# Altium PCB Dust1_Motherboard_STM32WBA5MMG.PcbDoc (part 1 of 2)
Units mm, origin at the board's own origin, x right, y up, seen from the top; angles counter-clockwise.
Board outline 31 x 35.5 mm, 6 copper layers (Top Layer (Signal), Layer 1 (GND), Layer 2 (Signal), Layer 3 (PWR), Layer 4 (GND), Bottom Layer (Signal)), stack 1.49 mm thick; 68 components, 73 nets, 340 pads, 254 vias.
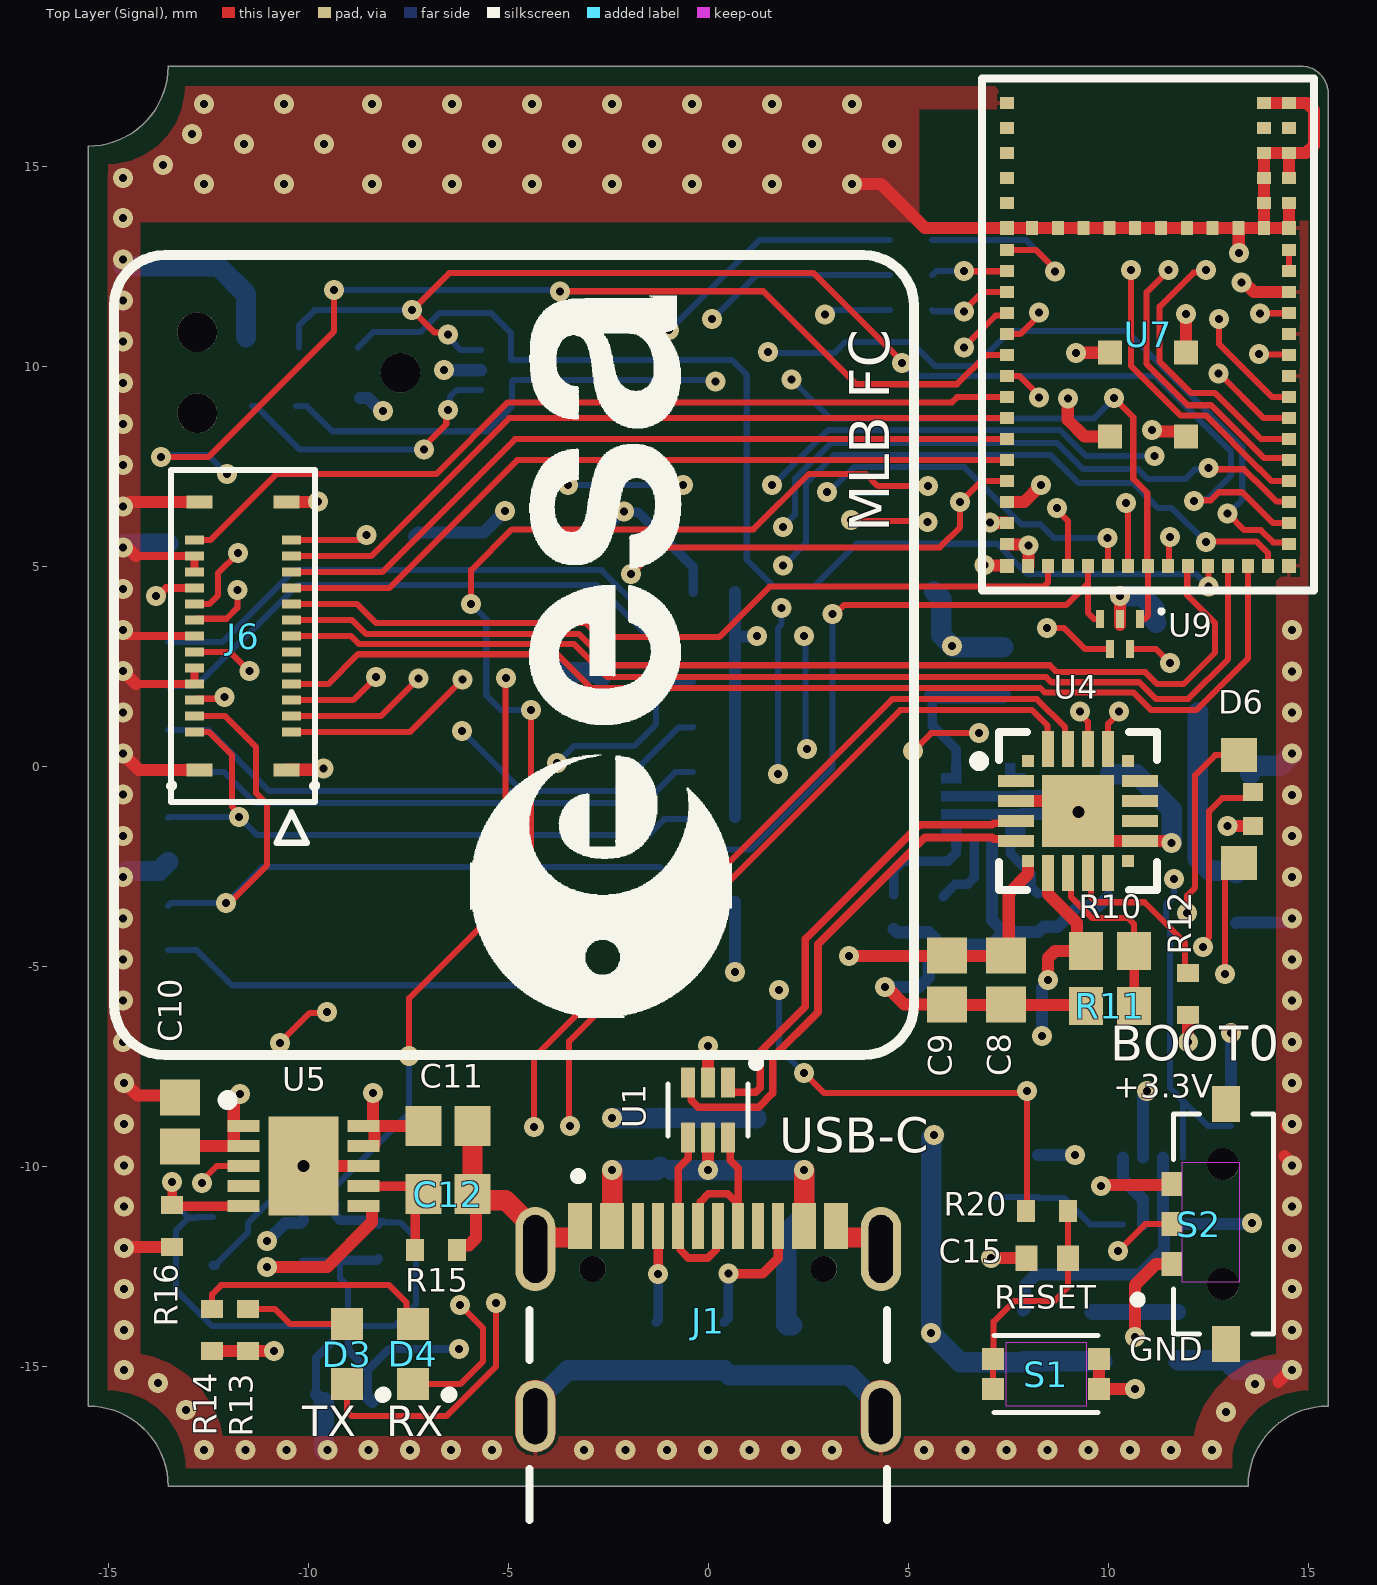
[diagram p0: Top Layer (Signal) view]
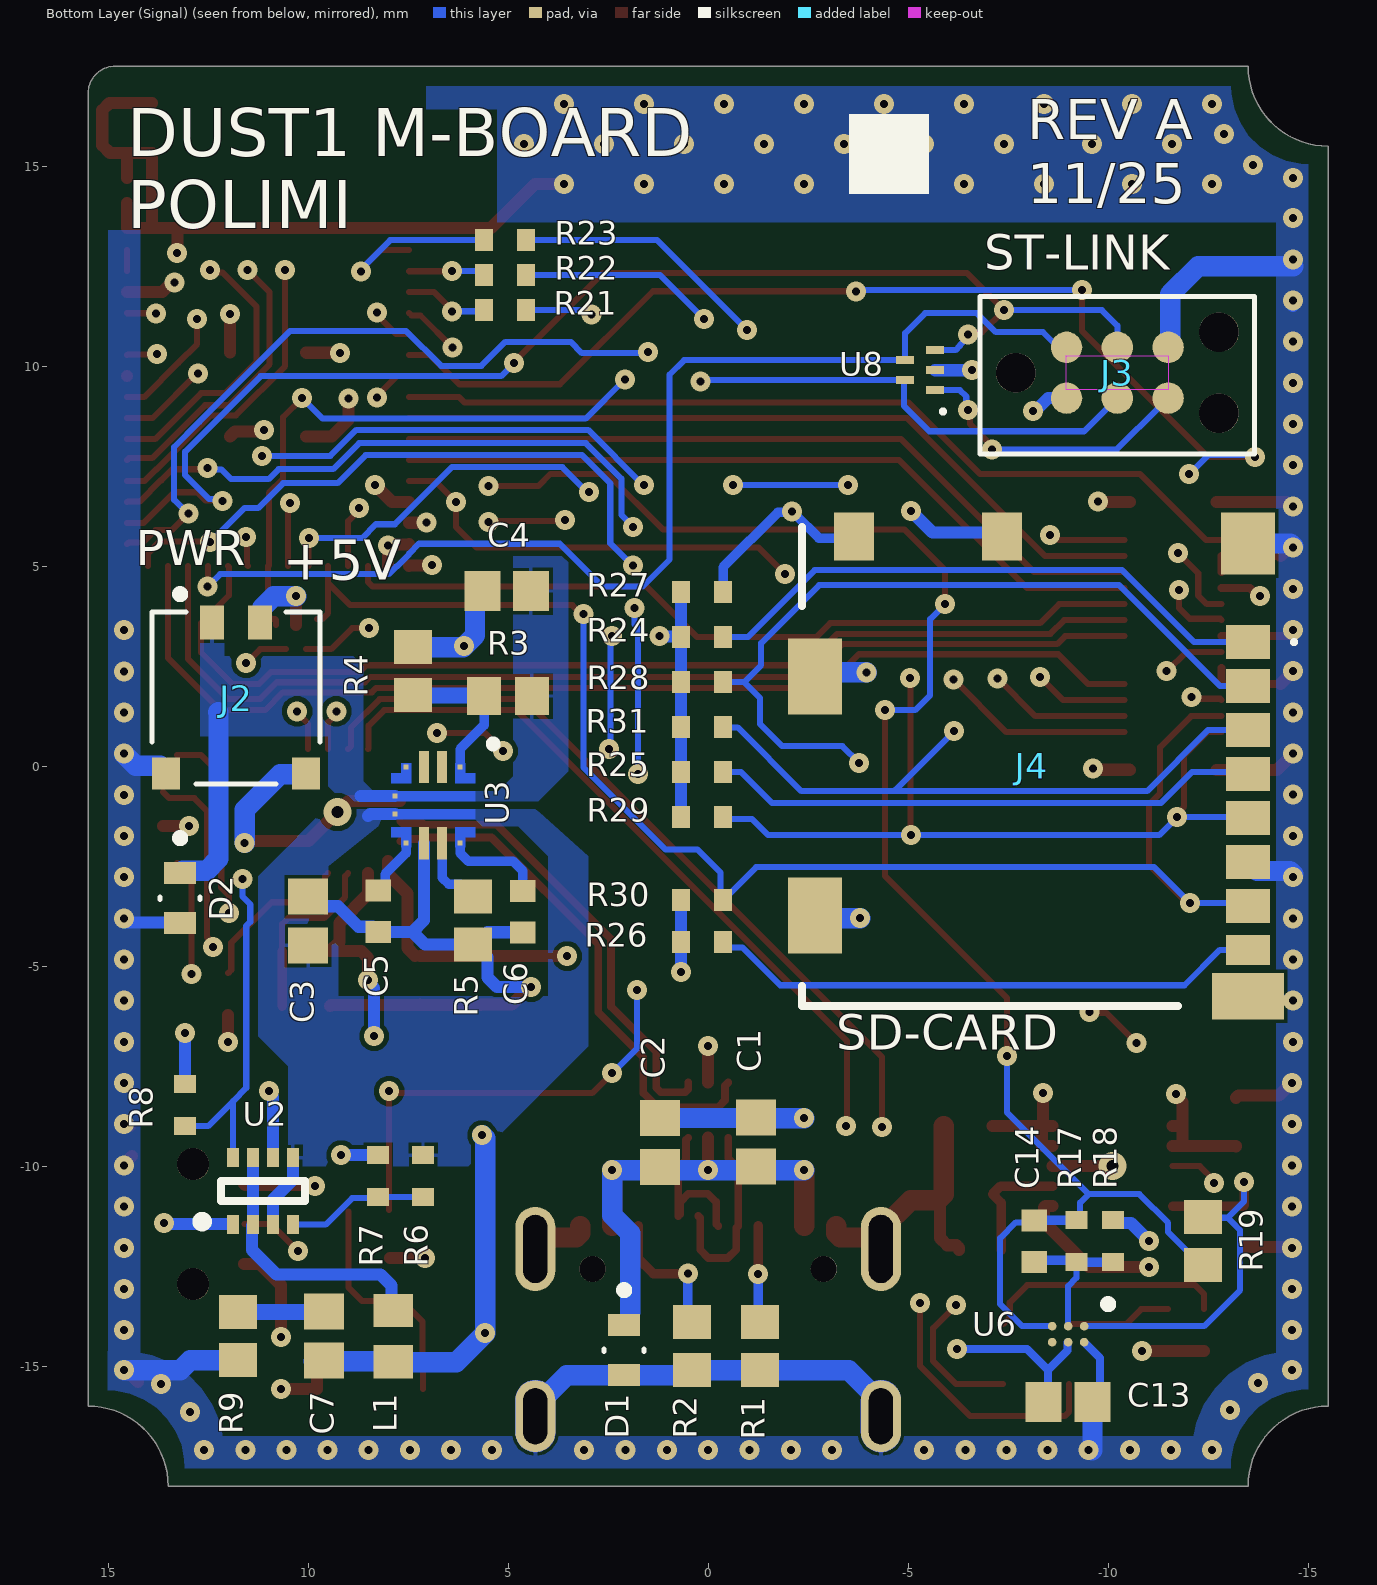
[diagram p1: Bottom Layer (Signal) view, seen from below]
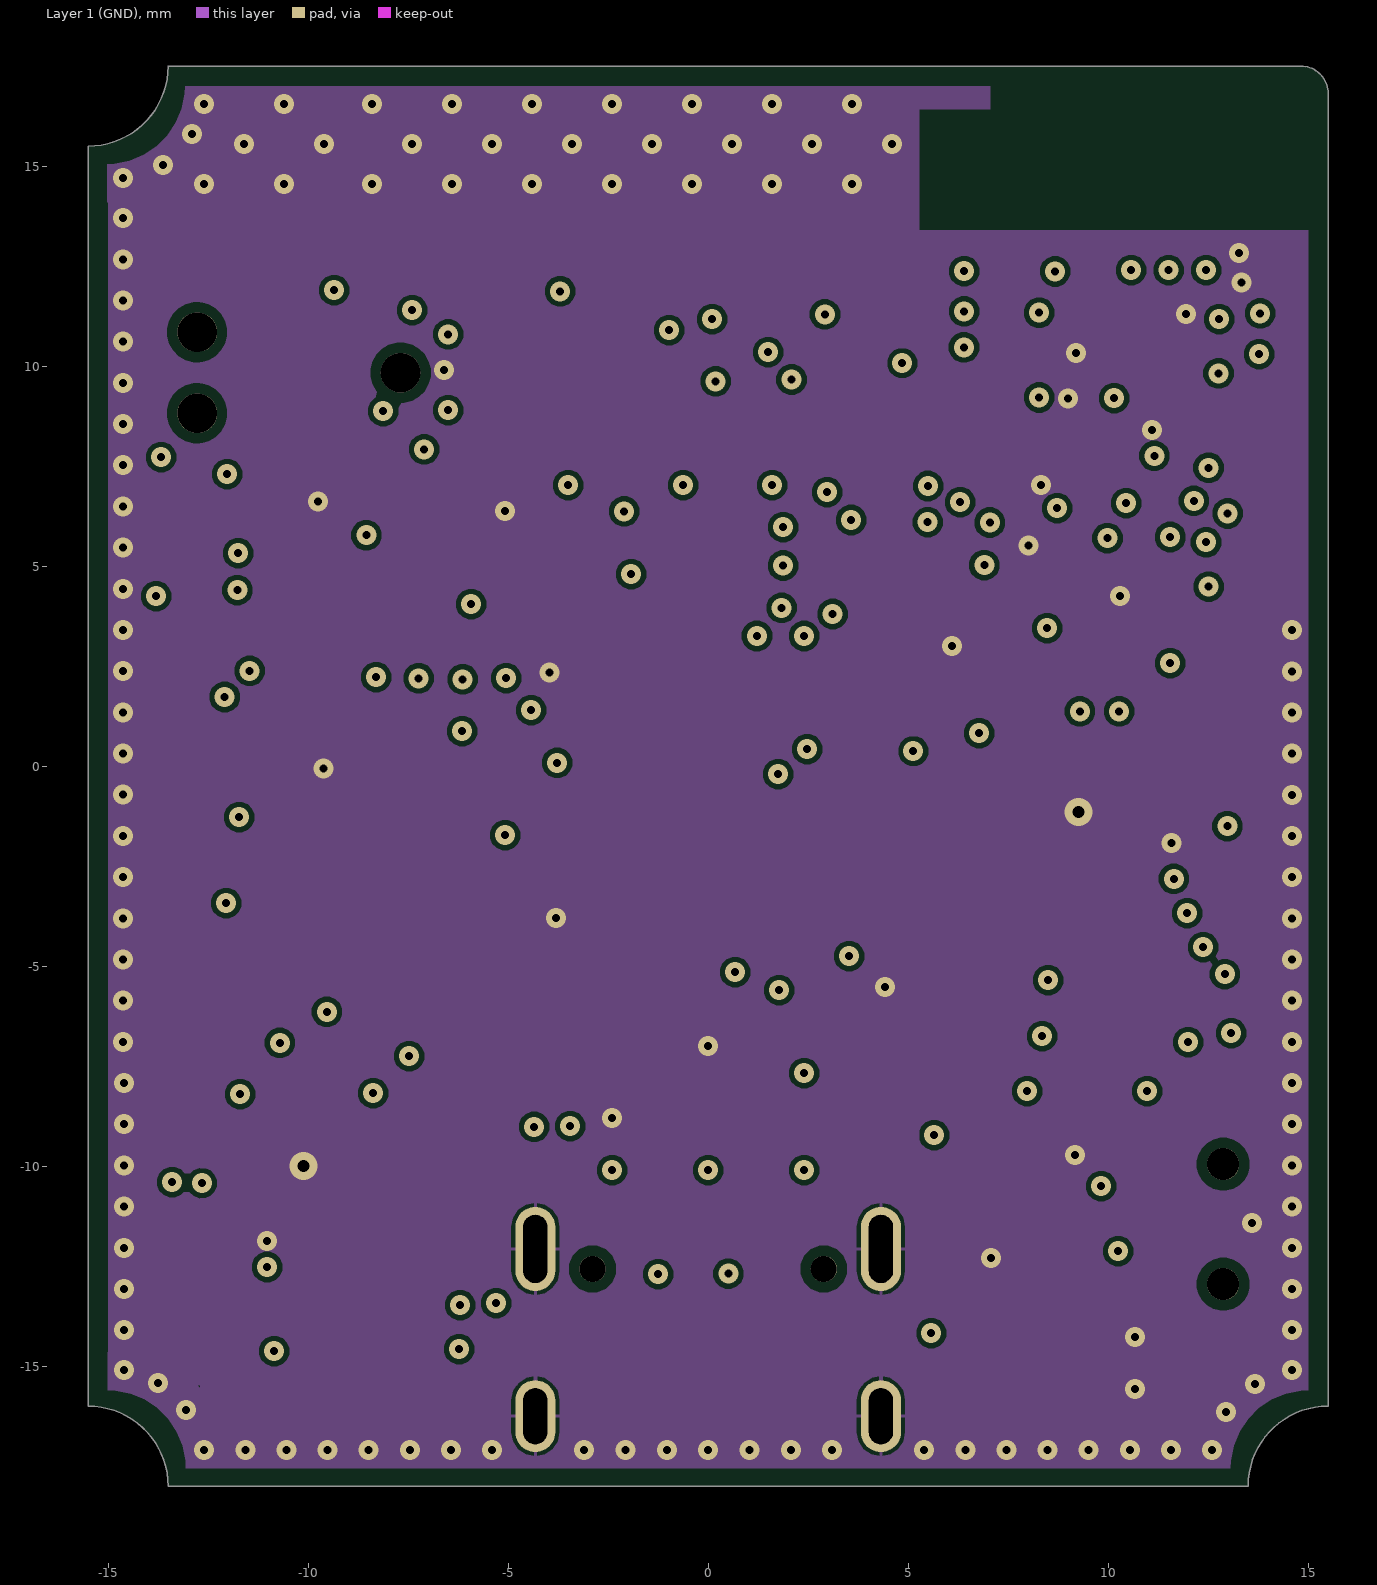
[diagram p2: Layer 1 (GND)]
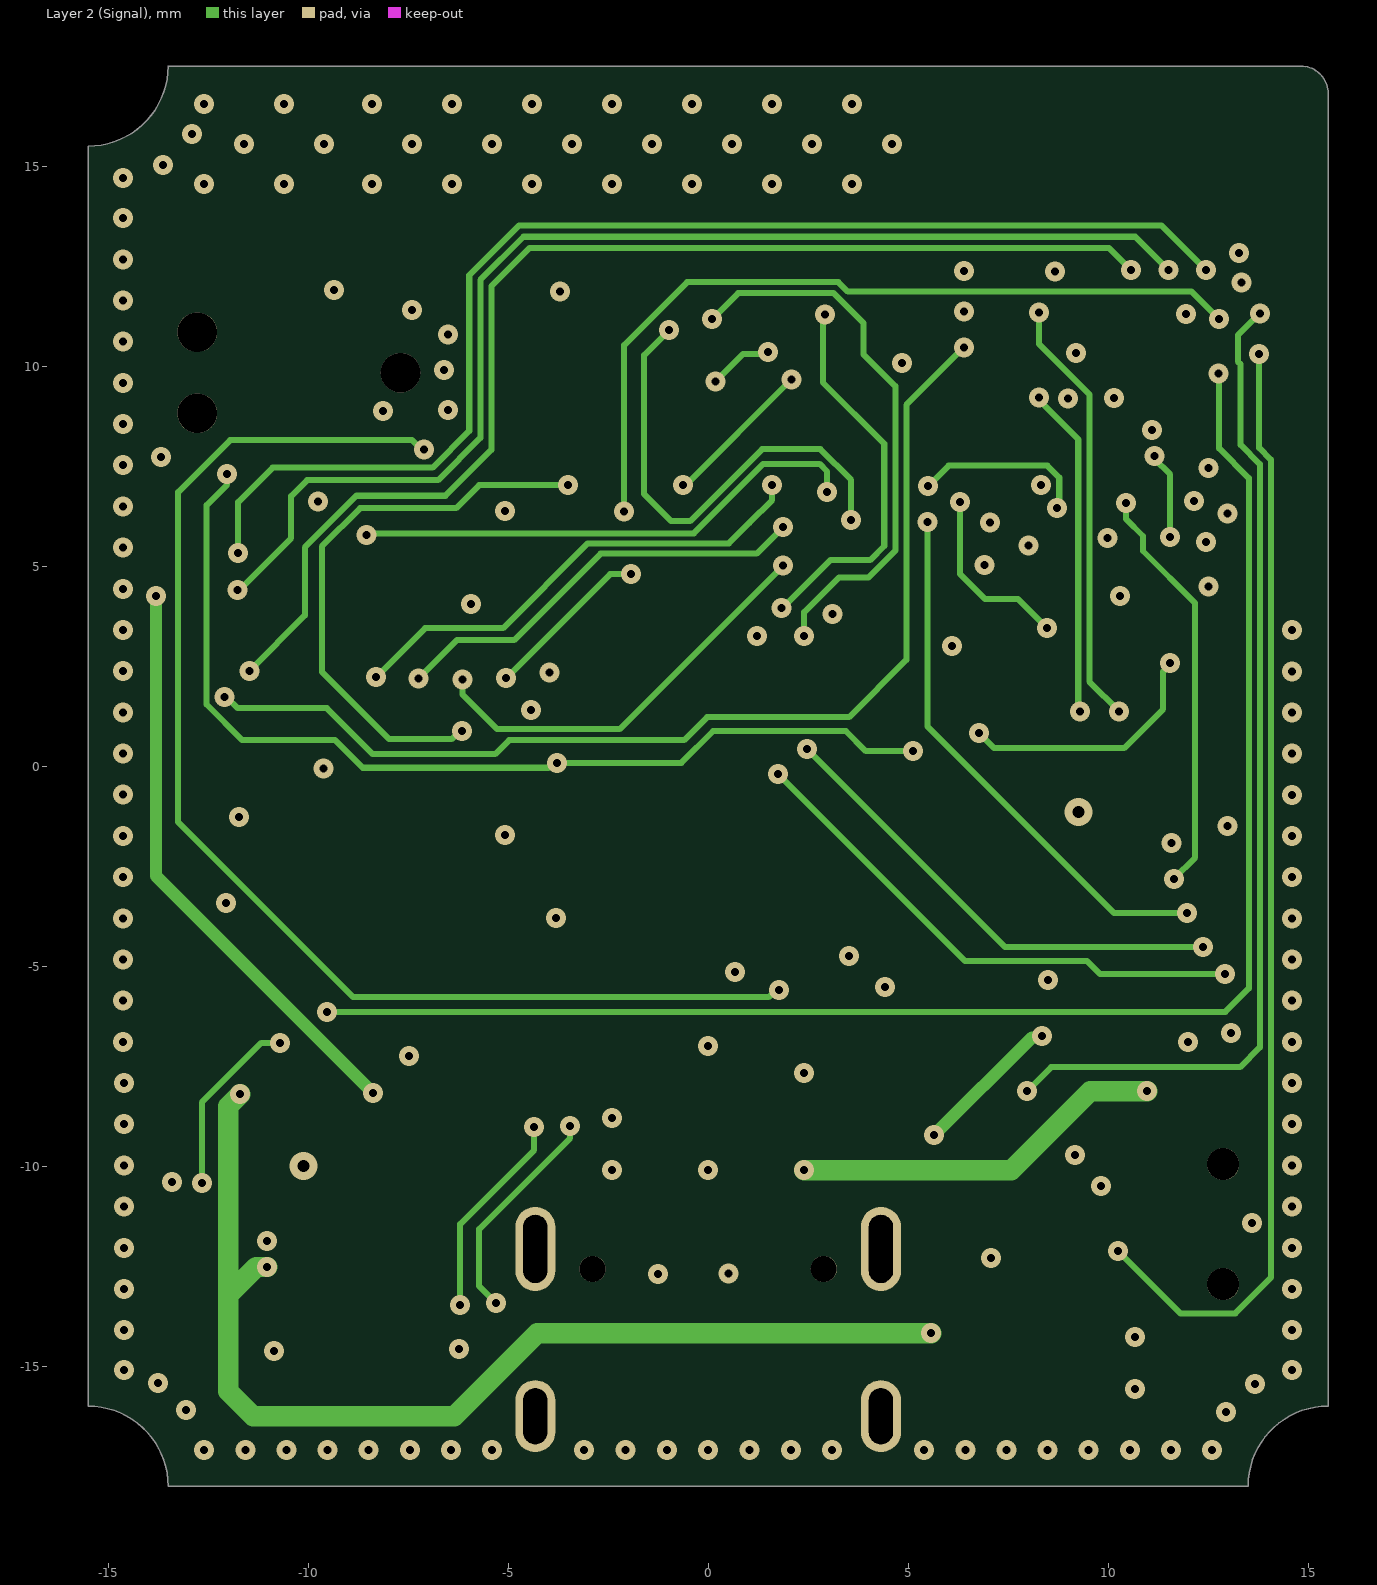
[diagram p3: Layer 2 (Signal)]
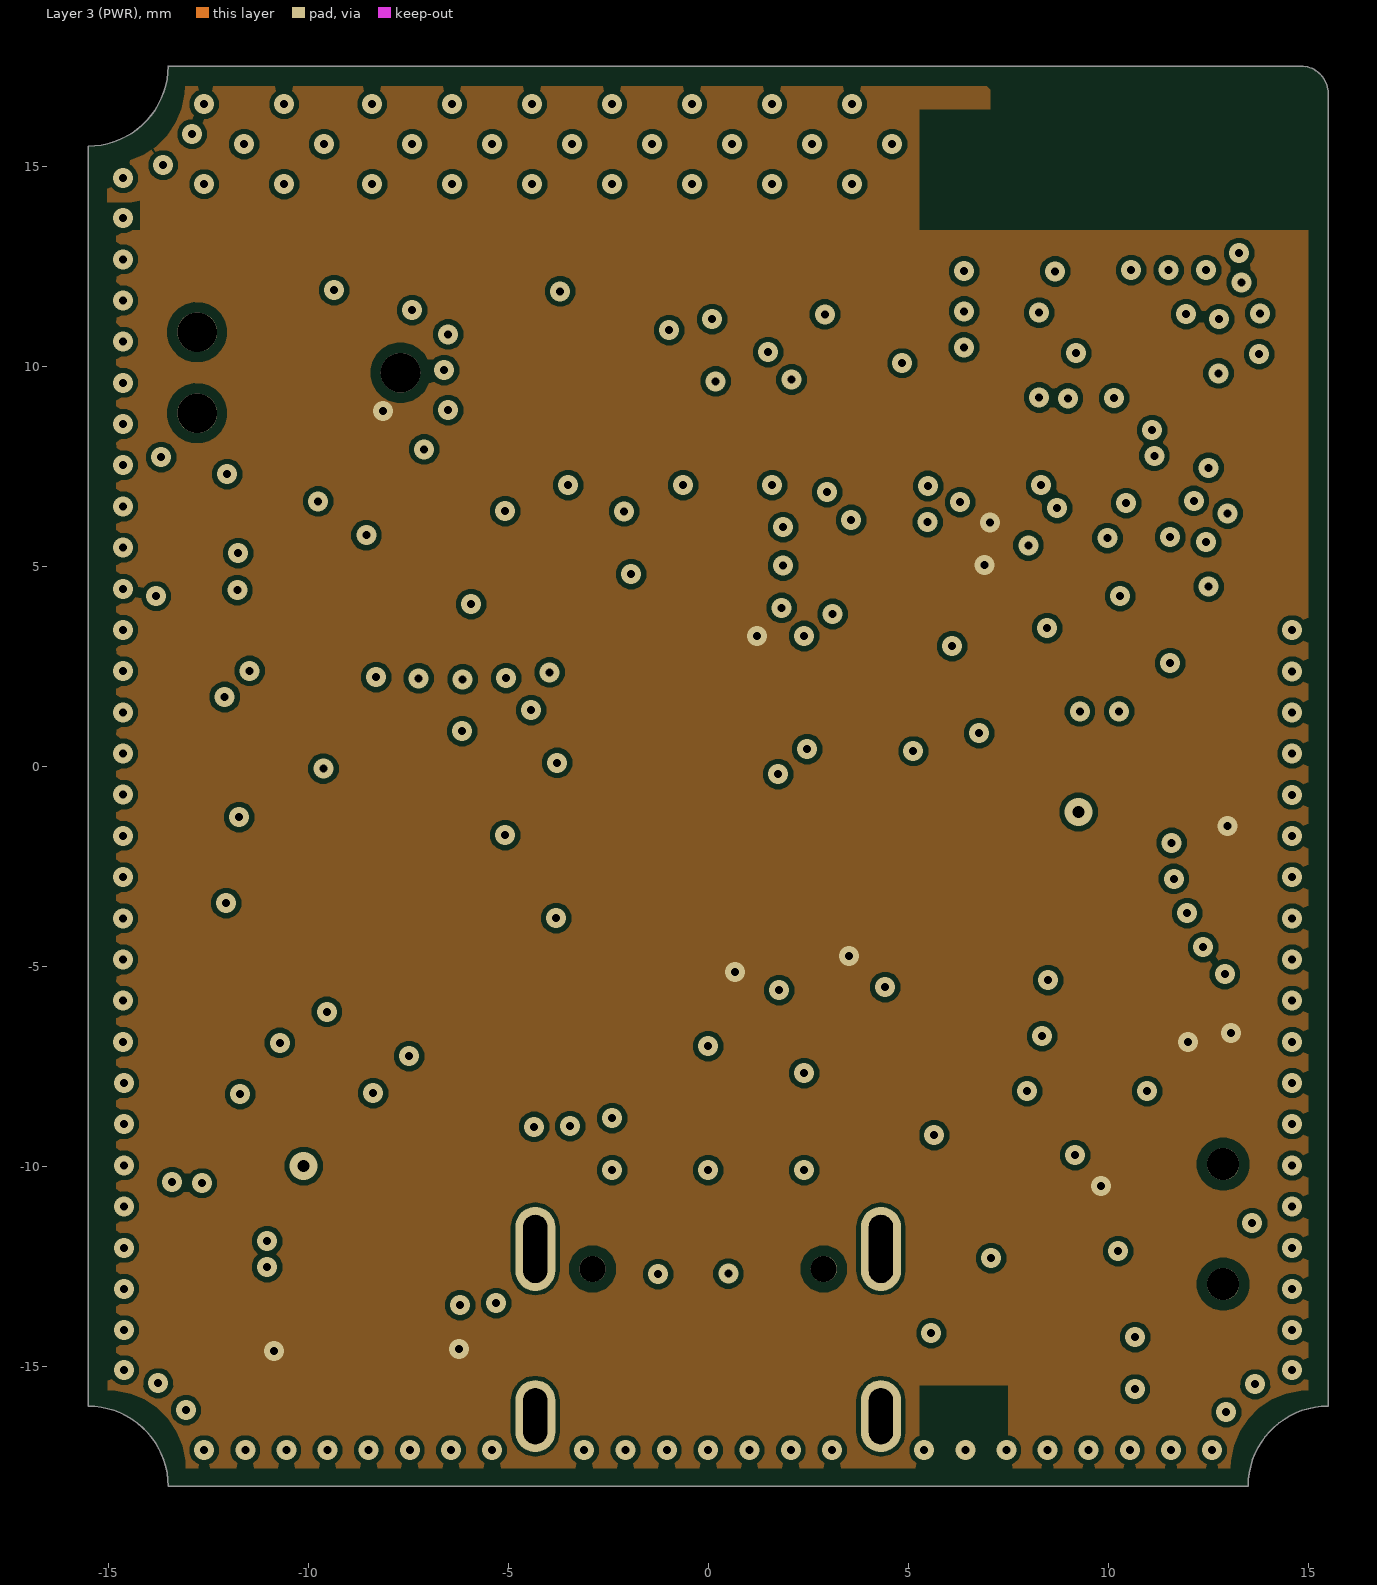
[diagram p4: Layer 3 (PWR)]
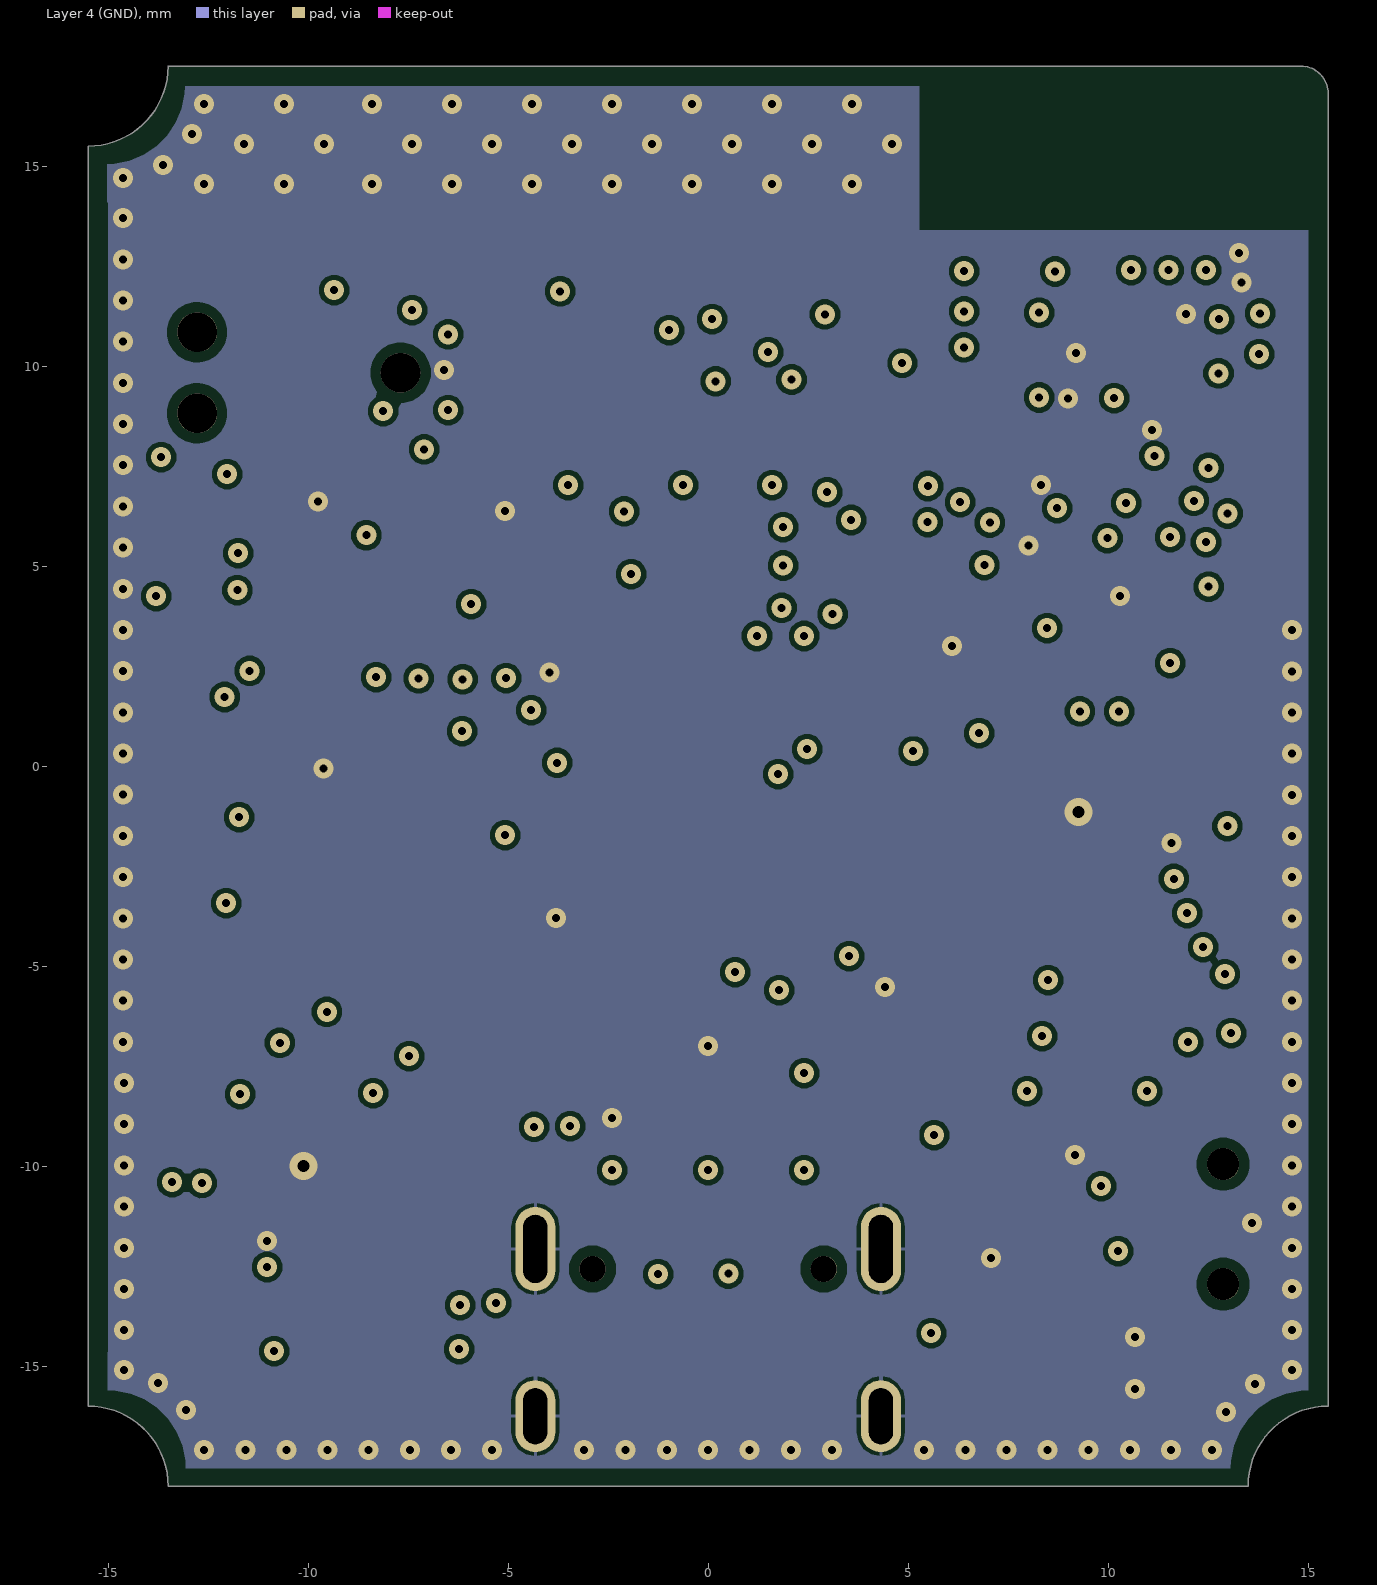
[diagram p5: Layer 4 (GND)]
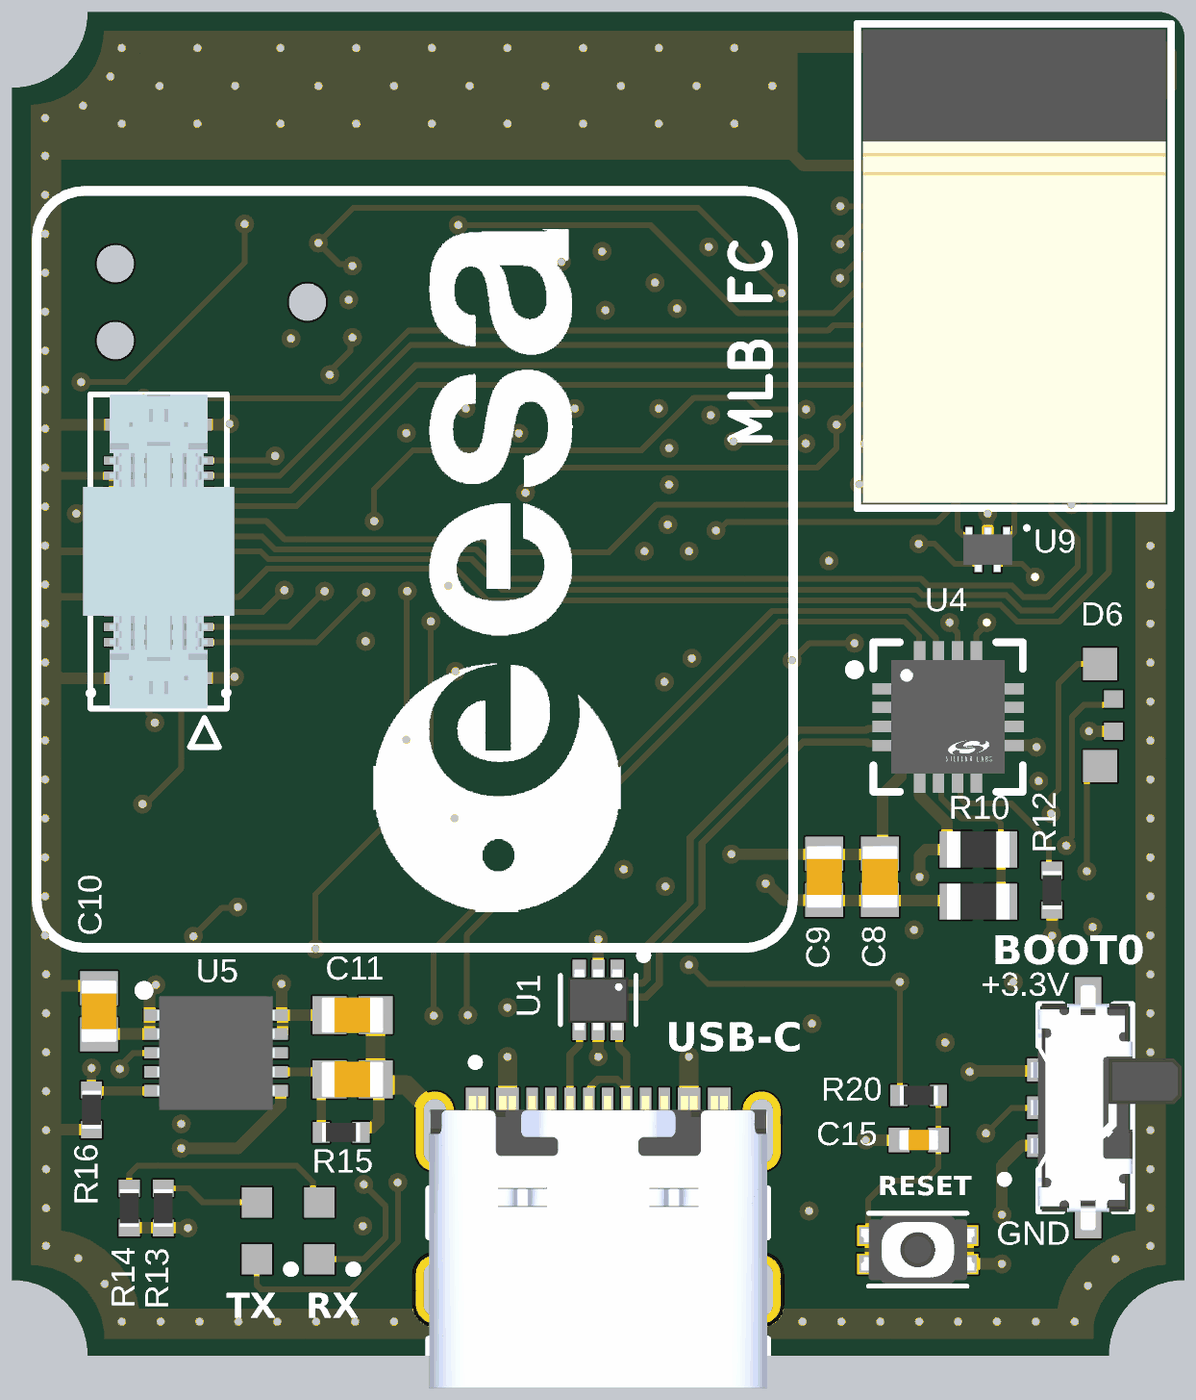
[diagram p7: 3D render of the assembled board from above, using the file's embedded part models]
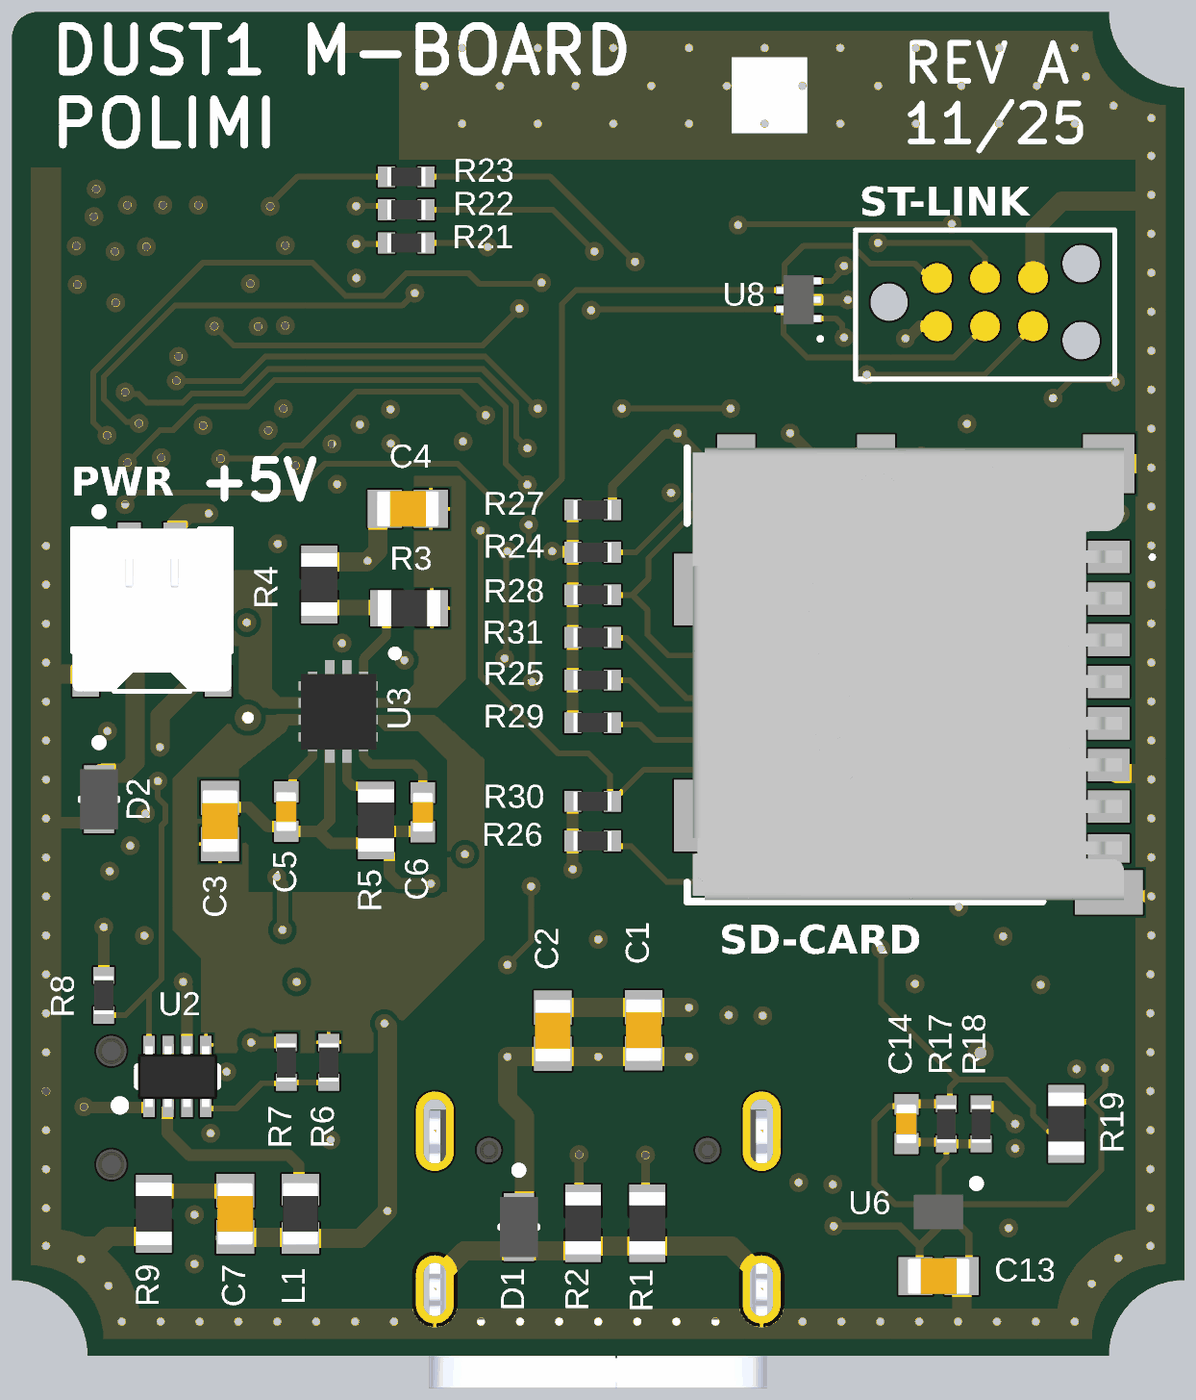
[diagram p8: 3D render of the assembled board from below, using the file's embedded part models]

## Layer stack, top to bottom
Top Solder: solder mask 0.0102, Solder Resist, Dk 3.8
Top Layer (Signal): signal copper 0.0175
Dielectric 2: prepreg 0.1295, PP-017, Dk 4.45
Layer 1 (GND): signal copper 0.035
Dielectric 6: core 0.43, Core-034, Dk 4.6
Layer 2 (Signal): signal copper 0.035
Dielectric 1: prepreg 0.196, PP-021, Dk 4.74
Layer 3 (PWR): signal copper 0.035
Dielectric 7: core 0.43, Core-034, Dk 4.6
Layer 4 (GND): signal copper 0.035
Dielectric 3: prepreg 0.1295, PP-017, Dk 4.45
Bottom Layer (Signal): signal copper 0.0175
Bottom Solder: solder mask 0.0102, Solder Resist, Dk 3.8